# KiCad board hackpad.kicad_pcb
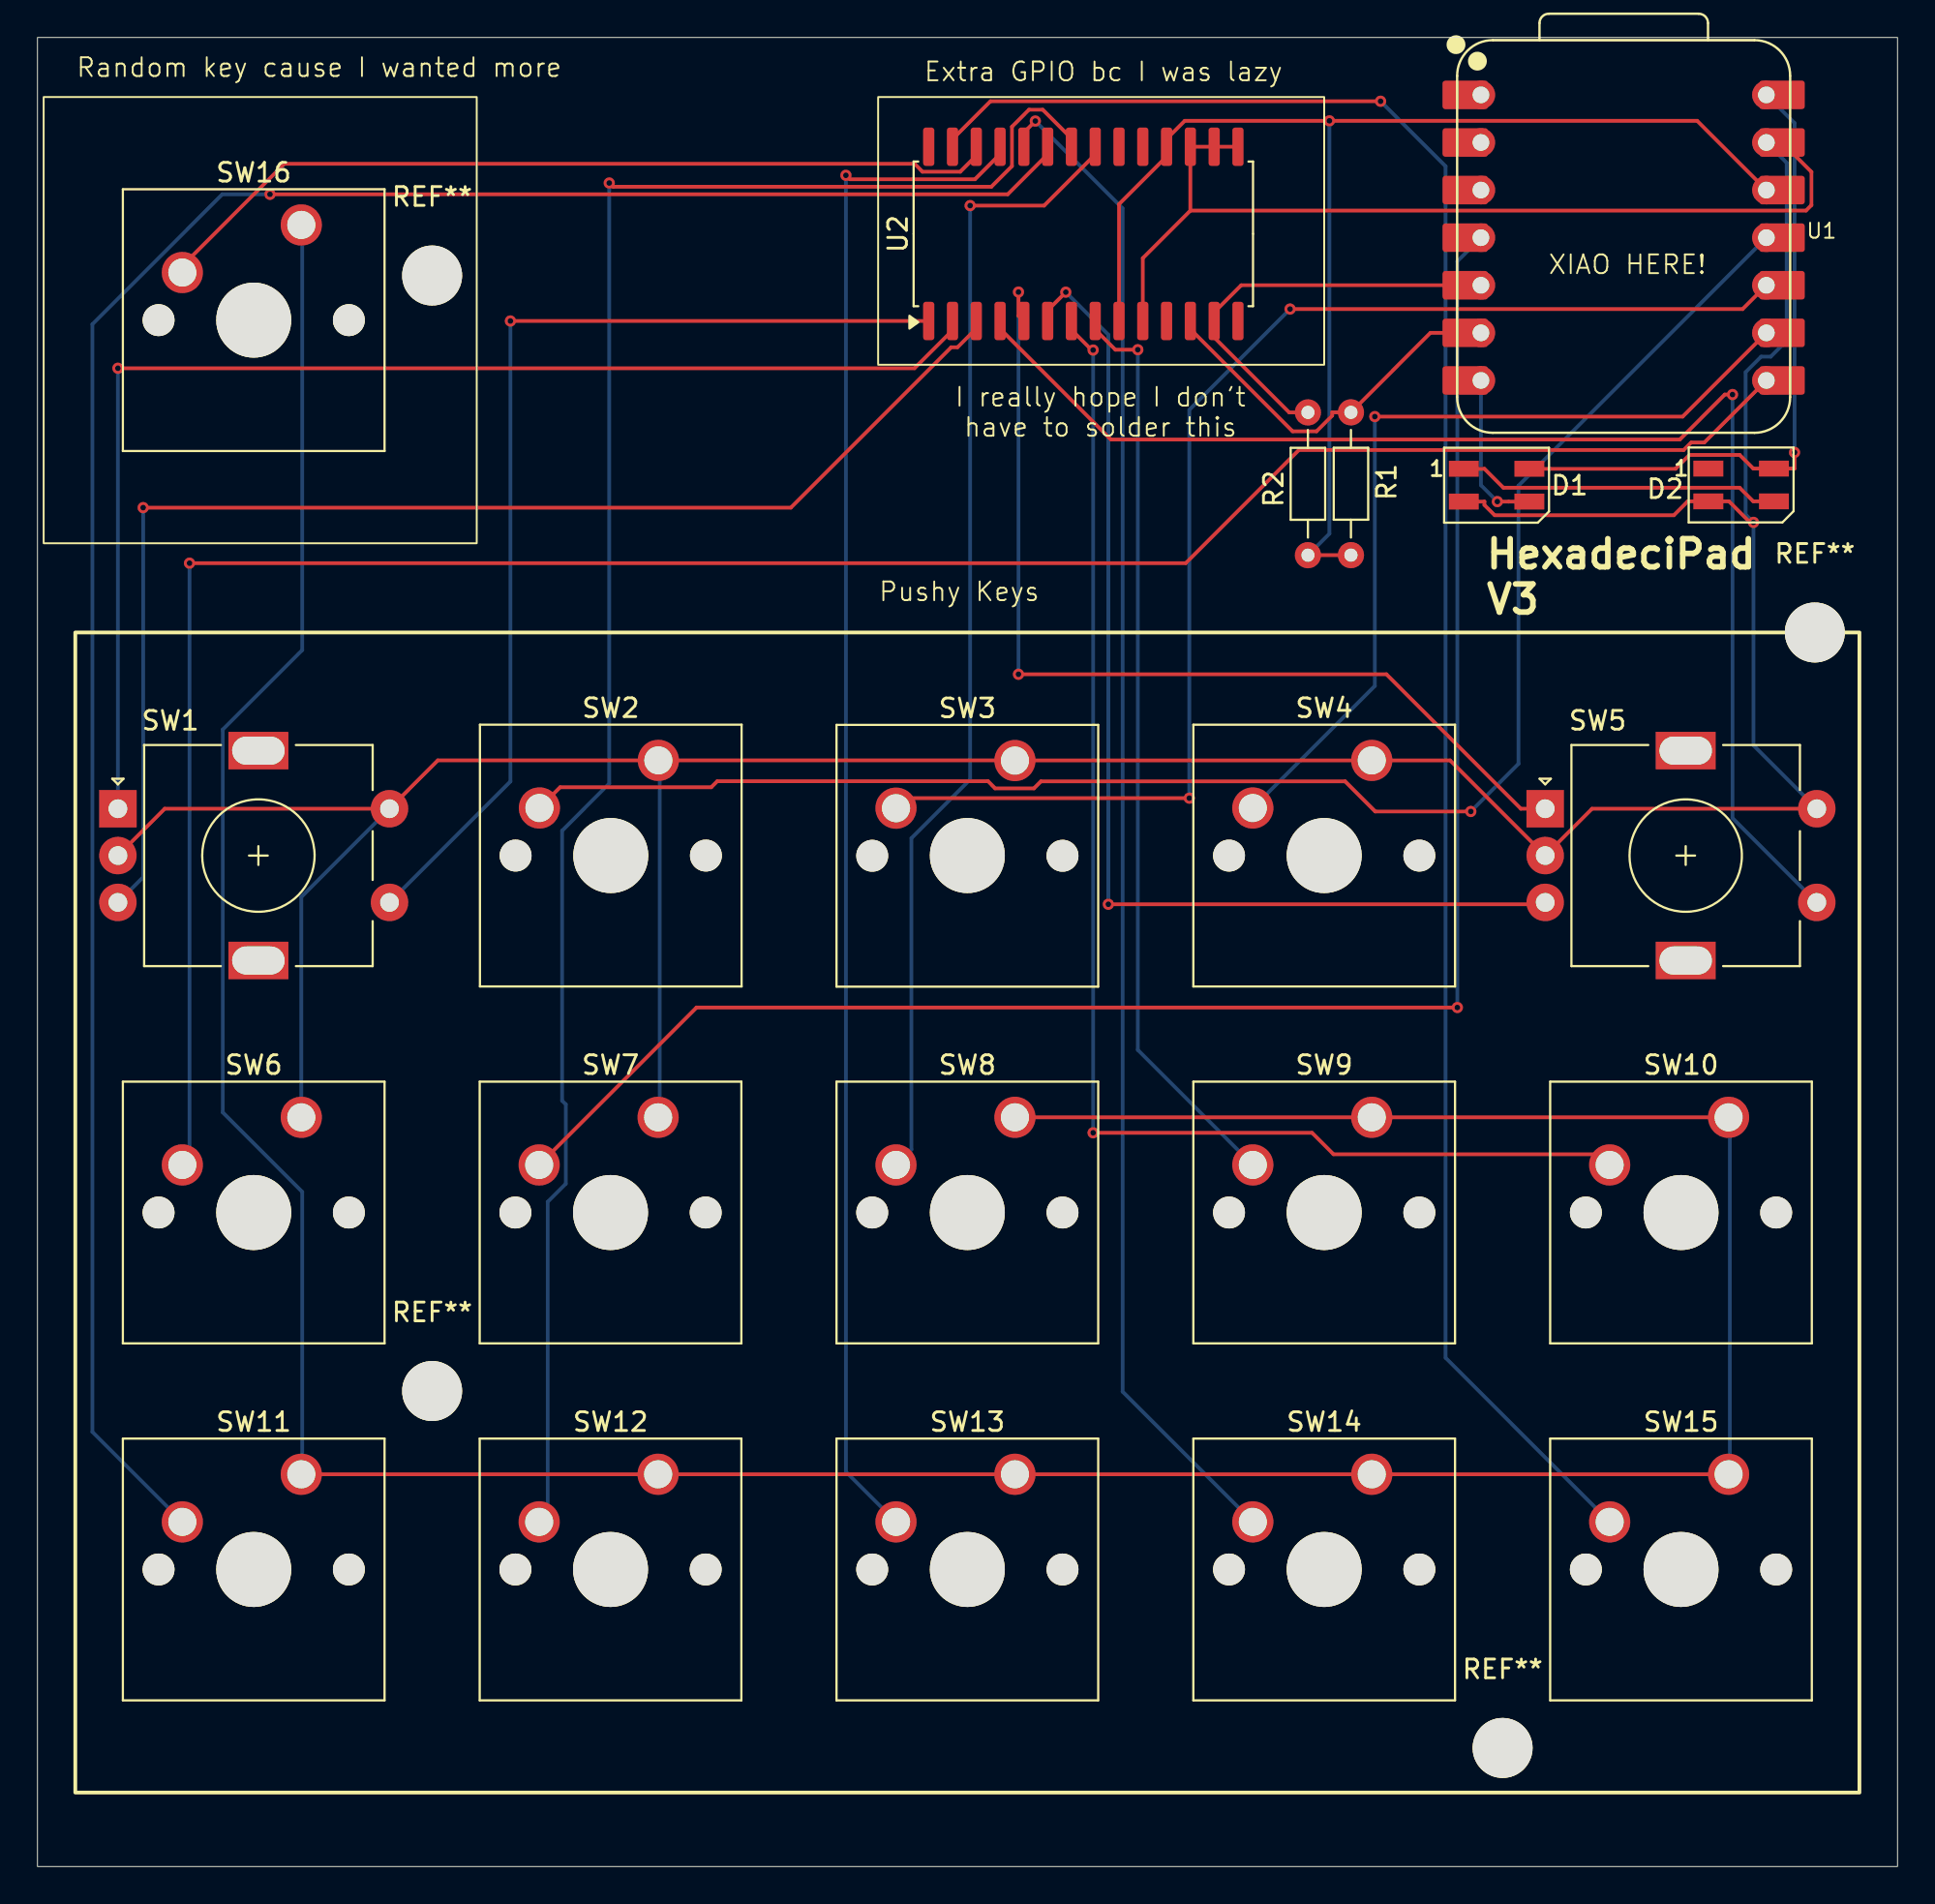
[diagram p0: board, top side]
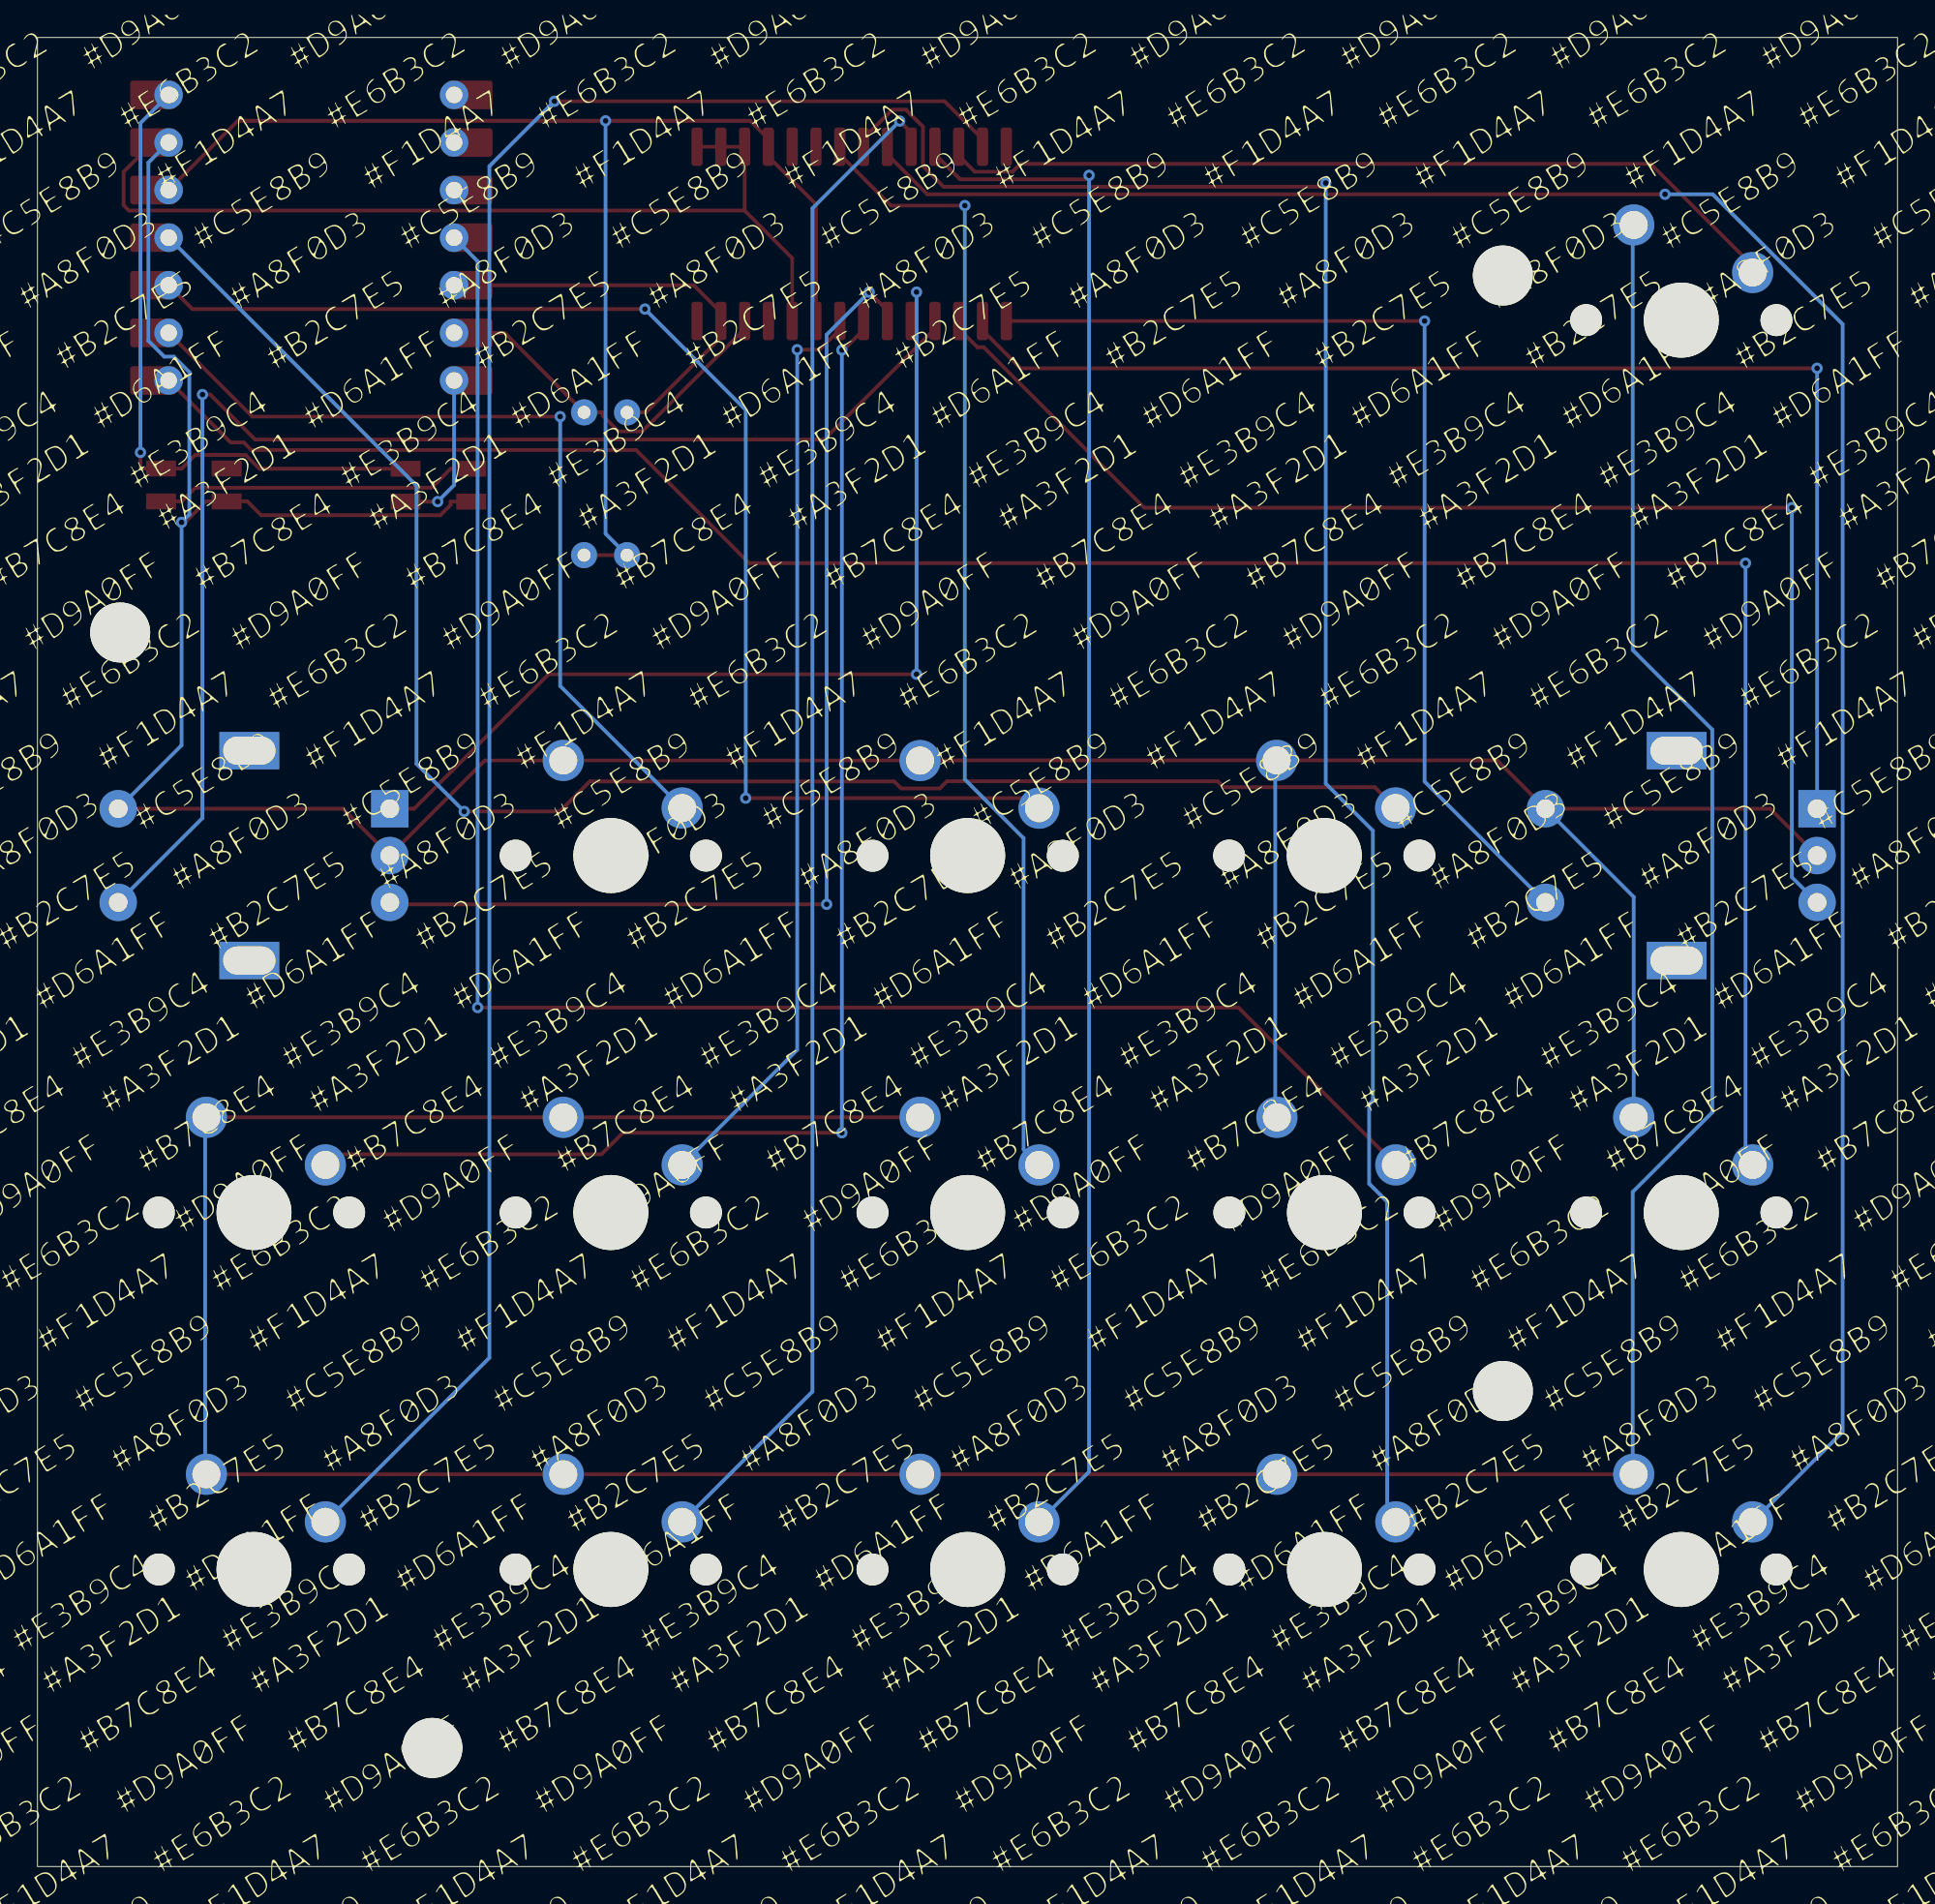
[diagram p1: board, bottom side, seen from below]

Outline 99.3 x 97.61 mm; copper layers: Top, Bottom. Coordinates in mm from the lower left corner of the outline.
Outline path: rectangle 0,97.61 99.3,0

## Placement (name value [footprint] x y rotation side)
D1  SK6812MINI  [LED_SK6812MINI_PLCC4_3.5x3.5mm_P1.75mm]  77.9 73.72 0 top
D2  SK6812MINI  [LED_SK6812MINI_PLCC4_3.5x3.5mm_P1.75mm]  90.96 73.73 0 top
G***  -  [LOGO]  49.65 43.78 180 bottom
R1  R  [R_Axial_DIN0204_L3.6mm_D1.6mm_P7.62mm_Horizontal]  70.12 69.99 90 top
R2  R  [R_Axial_DIN0204_L3.6mm_D1.6mm_P7.62mm_Horizontal]  67.83 69.98 90 top
REF**  -  [MountingHole_3.2mm_M3]  21.07 84.91 0 top
REF**#2  -  [MountingHole_3.2mm_M3]  21.07 25.38 0 top
REF**#3  -  [MountingHole_3.2mm_M3]  78.22 6.33 0 top
REF**#4  -  [MountingHole_3.2mm_M3]  94.89 65.86 0 top
SW1  RotaryEncoder_Switch  [RotaryEncoder_Alps_EC11E-Switch_Vertical_H20mm]  4.29 56.45 0 top
SW2  SW_Push  [SW_Cherry_MX_1.00u_PCB]  33.15 59.03 0 top
SW3  SW_Push  [SW_Cherry_MX_1.00u_PCB]  52.18 59.02 0 top
SW4  SW_Push  [SW_Cherry_MX_1.00u_PCB]  71.23 59.03 0 top
SW5  RotaryEncoder_Switch  [RotaryEncoder_Alps_EC11E-Switch_Vertical_H20mm]  80.49 56.45 0 top
SW6  SW_Push  [SW_Cherry_MX_1.00u_PCB]  14.08 39.98 0 top
SW7  SW_Push  [SW_Cherry_MX_1.00u_PCB]  33.13 39.98 0 top
SW8  SW_Push  [SW_Cherry_MX_1.00u_PCB]  52.18 39.98 0 top
SW9  SW_Push  [SW_Cherry_MX_1.00u_PCB]  71.23 39.98 0 top
SW10  SW_Push  [SW_Cherry_MX_1.00u_PCB]  90.28 39.98 0 top
SW11  SW_Push  [SW_Cherry_MX_1.00u_PCB]  14.08 20.93 0 top
SW12  SW_Push  [SW_Cherry_MX_1.00u_PCB]  33.13 20.93 0 top
SW13  SW_Push  [SW_Cherry_MX_1.00u_PCB]  52.18 20.93 0 top
SW14  SW_Push  [SW_Cherry_MX_1.00u_PCB]  71.23 20.93 0 top
SW15  SW_Push  [SW_Cherry_MX_1.00u_PCB]  90.28 20.93 0 top
SW16  SW_Push  [SW_Cherry_MX_1.00u_PCB]  14.08 87.61 0 top
U1  -  [XIAO-RP2040-DIP]  84.68 86.93 0 top
U2  MCP23017_SO  [SOIC-28W_7.5x17.9mm_P1.27mm]  55.84 87.13 90 top

## Library data of the parts
D1 D2 = -: Datasheet: https://cdn-shop.adafruit.com/product-files/2686/SK6812MINI_REV.01-1-2.pdf; Description: RGB LED with integrated controller; ki_fp_filters: LED*SK6812MINI*PLCC*3.5x3.5mm*P1.75mm*
R1 R2 = -: Description: Resistor; ki_fp_filters: R_*
SW1 SW5 = -: Description: Rotary encoder, dual channel, incremental quadrate outputs, with switch; ki_fp_filters: RotaryEncoder*Switch*
SW2-SW4 SW6-SW16 = -: Description: Push button switch, generic, two pins
U2 = -: Datasheet: https://ww1.microchip.com/downloads/aemDocuments/documents/APID/ProductDocuments/DataSheets/MCP23017-Data-Sheet-DS20001952.pdf; Description: 16-bit I/O expander, I2C, interrupts, w pull-ups, GPA/B7 output only (https://microchip.my.site.com/s/article/GPA7---GPB7-Cannot-Be-Used-as-Inputs-In-MCP23017),  SOIC-28; ki_fp_filters: SOIC*7.5x17.9mm*P1.27mm*

## Footprints (pads in the part's own frame, mm; a bottom-side part is the same pattern mirrored in y, then rotated)
LED_SK6812MINI_PLCC4_3.5x3.5mm_P1.75mm
  rect 1.6x0.85 smd: 1(-1.75,0.875) 2(-1.75,-0.875) 3(1.75,-0.875) 4(1.75,0.875)
MountingHole_3.2mm_M3
  round 3.2 hole 3.2 unplated: (0,0)
R_Axial_DIN0204_L3.6mm_D1.6mm_P7.62mm_Horizontal
  round 1.4 hole 0.7: 1(0,0)
  oval 1.4x1.4 hole 0.7: 2(7.62,0)
RotaryEncoder_Alps_EC11E-Switch_Vertical_H20mm
  rect 2x2 hole 1: A(0,0)
  round 2 hole 1: B(0,-5) C(0,-2.5) S1(14.5,-5) S2(14.5,0)
  rect 3.2x2 hole 2.8x1.5: MP(7.5,3.1) MP(7.5,-8.1)
SOIC-28W_7.5x17.9mm_P1.27mm
  rrect 2.05x0.6 smd: 1(-4.65,8.255) 2(-4.65,6.985) 3(-4.65,5.715) 4(-4.65,4.445) 5(-4.65,3.175) 6(-4.65,1.905) 7(-4.65,0.635) 8(-4.65,-0.635) 9(-4.65,-1.905) 10(-4.65,-3.175) 11(-4.65,-4.445) 12(-4.65,-5.715) 13(-4.65,-6.985) 14(-4.65,-8.255) 15(4.65,-8.255) 16(4.65,-6.985) 17(4.65,-5.715) 18(4.65,-4.445) 19(4.65,-3.175) 20(4.65,-1.905) 21(4.65,-0.635) 22(4.65,0.635) 23(4.65,1.905) 24(4.65,3.175) 25(4.65,4.445) 26(4.65,5.715) 27(4.65,6.985) 28(4.65,8.255)
SW_Cherry_MX_1.00u_PCB
  round 1.7 hole 1.7 unplated: (-7.62,-5.08) (2.54,-5.08)
  round 4 hole 4 unplated: (-2.54,-5.08)
  round 2.2 hole 1.5: 1(0,0) 2(-6.35,-2.54)
XIAO-RP2040-DIP
  rrect 2.432x1.524 smd: 1(-8.455,7.62) 2(-8.455,5.08) 3(-8.455,2.54) 4(-8.455,0) 5(-8.455,-2.54) 6(-8.455,-5.08) 7(-8.455,-7.62) 8(8.455,-7.62) 9(8.455,-5.08) 10(8.455,-2.54) 11(8.455,0) 12(8.455,2.54) 13(8.455,5.08) 14(8.455,7.62)
  round 1.524 hole 0.889: 1(-7.62,7.62) 2(-7.62,5.08) 3(-7.62,2.54) 4(-7.62,0) 5(-7.62,-2.54) 6(-7.62,-5.08) 7(-7.62,-7.62) 8(7.62,-7.62) 9(7.62,-5.08) 10(7.62,-2.54) 11(7.62,0) 12(7.62,2.54) 13(7.62,5.08) 14(7.62,7.62)

## Nets
+3.3V: R1.1 R2.1 U1.12 U2.9 U2.18
+5V: D1.4 D2.4 U1.14
GND: D1.2 D2.2 SW1.C SW1.S2 SW2.1 SW3.1 SW4.1 SW5.C SW5.S2 SW6.1 SW7.1 U1.13 U2.10 U2.15 U2.16 U2.17
Net-(D1-DIN): D1.3 U1.7
Net-(D1-DOUT): D1.1 D2.3
Net-(SW10-Pad1): SW8.1 SW9.1 SW10.1 SW11.1 SW12.1 SW13.1 SW14.1 SW15.1 SW16.1
Net-(U1-GPIO1/RX): SW6.2 U1.8
Net-(U1-GPIO2/SCK): SW4.2 U1.9
Net-(U1-GPIO3/MOSI): SW2.2 U1.11
Net-(U1-GPIO4/MISO): SW3.2 U1.10
Net-(U1-GPIO6/SDA): R2.2 U1.5 U2.13
Net-(U1-GPIO7/SCL): R1.2 U1.6 U2.12
Net-(U1-GPIO29/ADC3/A3): SW7.2 U1.4
Net-(U2-GPA0): SW8.2 U2.21
Net-(U2-GPA1): SW12.2 U2.22
Net-(U2-GPA2): SW11.2 U2.23
Net-(U2-GPA3): SW14.2 U2.24
Net-(U2-GPA4): SW13.2 U2.25
Net-(U2-GPA5): SW16.2 U2.26
Net-(U2-GPA6): SW15.2 U2.27
Net-(U2-GPB0): SW1.S1 U2.1
Net-(U2-GPB1): SW1.A U2.2
Net-(U2-GPB2): SW1.B U2.3
Net-(U2-GPB3): SW5.S1 U2.4
Net-(U2-GPB4): SW5.A U2.5
Net-(U2-GPB5): SW5.B U2.6
Net-(U2-GPB6): SW10.2 U2.7
Net-(U2-GPB7): SW9.2 U2.8

Pads without a net: D2 1; SW1 MP; SW5 MP; U1 1 2 3; U2 11 14 19 20 28

## Via types
v1: diameter 0.6, hole 0.3, Top to Bottom, 27 vias

## Routing (per net, layer and track width the routed paths; a pad name or vN(x,y) marks a point on that pad's centre or on a via; arc(x,y) is an arc through that point)
+3.3V: length 71.5
  Top w0.2: R1.1 67.83,69.99 R2.1 ; U2.9 57.74,88.72 60.28,91.26 U2.18 60.28,92.2 61.25,93.16 v1(68.97,93.16) 88.61,93.16 U1.12 U1.12
  Bottom w0.2: v1(68.97,93.16) 68.97,71.13 R2.1
+5V: length 36.2
  Top w0.2: D1.4 87.45,74.59 88.19,75.33 90.88,75.33 91.6,74.61 D2.4 93.81,74.61 v1(93.81,75.47) ; U1.14 U1.14
  Bottom w0.2: U1.14 93.81,93.04 v1(93.81,75.47)
GND: length 239.9
  Top w0.2: D1.2 77.25,72.84 77.25,72.66 77.8,72.12 87.36,72.12 88.1,72.86 D2.2 90.31,72.86 91.43,71.73 v1(91.61,71.73) ; 61.55,88.37 59.01,85.83 U2.10 ; 61.55,88.37 U2.17 U2.16 U2.15 ; 61.55,88.37 94.42,88.37 94.71,88.66 94.71,90.44 U1.13 U1.13 ; SW1.C 6.79,56.45 SW1.S2 21.37,59.03 SW2.1 52.17,59.03 SW3.1 52.19,59.03 SW4.1 75.42,59.03 SW5.C 82.99,56.45 SW5.S2
  Bottom w0.2: U1.13 93.39,90.93 93.39,81.43 92.54,80.58 92.02,80.58 91.19,79.75 91.19,72.15 v1(91.61,71.73) 91.61,59.83 SW5.S2 ; SW6.1 14.08,51.74 SW1.S2 ; SW2.1 33.22,58.96 33.22,40.07 SW7.1
Net-(D1-DIN): length 9.4
  Top w0.2: U1.7 U1.7 ; D1.3 v1(77.94,72.84)
  Bottom w0.2: U1.7 77.06,73.72 v1(77.94,72.84)
Net-(D1-DOUT): length 17.3
  Top w0.2: D1.1 77.25,74.59 78.26,73.58 90.88,73.58 91.6,72.86 D2.3
Net-(SW10-Pad1): length 203.6
  Top w0.2: SW11.1 SW12.1 SW13.1 SW14.1 SW15.1 ; SW8.1 SW9.1 SW10.1
  Bottom w0.2: SW11.1 14.14,20.98 14.14,36 9.89,40.25 9.89,60.68 14.14,64.92 14.14,87.56 SW16.1 ; SW10.1 90.35,39.92 90.35,21 SW15.1
Net-(U1-GPIO1/RX): length 121.3
  Top w0.2: U1.8 U1.8 88.99,76 88.29,76 87.89,75.6 67.34,75.6 61.3,69.56 v1(8.12,69.56)
  Bottom w0.2: v1(8.12,69.56) 8.12,37.83 SW6.2
Net-(U1-GPIO2/SCK): length 47.2
  Top w0.2: U1.9 U1.9 87.83,77.38 v1(71.4,77.38)
  Bottom w0.2: v1(71.4,77.38) 71.4,63 SW4.2
Net-(U1-GPIO3/MOSI): length 89.3
  Top w0.2: v1(76.52,56.31) 71.42,56.31 69.81,57.91 53.58,57.91 53.2,57.54 51.13,57.54 50.75,57.92 36.29,57.92 35.98,57.6 27.91,57.6 SW2.2 ; U1.11 U1.11
  Bottom w0.2: U1.11 79.07,73.69 79.07,58.85 v1(76.52,56.31)
Net-(U1-GPIO4/MISO): length 71
  Top w0.2: U1.10 U1.10 91.03,83.12 v1(66.87,83.12) ; SW3.2 46.37,57.02 v1(61.5,57.02)
  Bottom w0.2: v1(66.87,83.12) 61.5,77.74 v1(61.5,57.02)
Net-(U1-GPIO6/SDA): length 22.8
  Top w0.2: U1.5 U1.5 64.26,84.39 62.82,82.95 U2.13 62.82,81.61 66.83,77.6 R2.2
Net-(U1-GPIO7/SCL): length 20.5
  Top w0.2: U1.6 U1.6 74.37,81.85 R1.2 69.12,77.61 69.12,77.43 68.28,76.59 67.01,76.59 61.55,82.05 U2.12
Net-(U1-GPIO29/ADC3/A3): length 94.9
  Top w0.2: U1.4 U1.4 ; v1(75.8,45.84) 35.19,45.84 SW7.2
  Bottom w0.2: U1.4 75.8,85.67 v1(75.8,45.84)
Net-(U2-GPA0): length 61.1
  Top w0.2: v1(49.79,88.64) 53.75,88.64 56.47,91.37 U2.21
  Bottom w0.2: v1(49.79,88.64) 49.79,58.02 46.66,54.88 46.66,38.27 SW8.2
Net-(U2-GPA1): length 101.9
  Top w0.2: v1(30.53,89.85) 30.73,89.64 50.93,89.64 52.03,90.75 52.03,92.85 52.93,93.76 53.67,93.76 55.2,92.22 U2.22
  Bottom w0.2: SW12.2 27.24,18.85 27.24,35.47 28.21,36.44 28.21,40.67 28.01,40.87 28.01,55.28 30.53,57.8 v1(30.53,89.85)
Net-(U2-GPA2): length 121.1
  Top w0.2: v1(12.41,89.24) 51.8,89.24 53.93,91.37 U2.23
  Bottom w0.2: SW11.2 2.93,23.2 2.93,82.31 9.87,89.24 v1(12.41,89.24)
Net-(U2-GPA3): length 81.2
  Top w0.2: U2.24 52.66,92.54 v1(53.27,93.15)
  Bottom w0.2: v1(53.27,93.15) 57.93,88.49 57.93,25.34 SW14.2
Net-(U2-GPA4): length 82.2
  Top w0.2: v1(43.16,90.26) 43.37,90.05 50.05,90.05 51.39,91.39 U2.25
  Bottom w0.2: SW13.2 43.16,21.07 v1(43.16,90.26)
Net-(U2-GPA5): length 46
  Top w0.2: U2.26 50.12,91.3 49.26,90.45 47.25,90.45 46.83,90.87 13.18,90.87 7.73,85.42 SW16.2
Net-(U2-GPA6): length 105
  Top w0.2: U2.27 48.85,92.18 50.88,94.21 v1(71.71,94.21)
  Bottom w0.2: SW15.2 75.18,27.15 75.18,90.74 v1(71.71,94.21)
Net-(U2-GPB0): length 56
  Top w0.2: U2.1 v1(25.25,82.48)
  Bottom w0.2: v1(25.25,82.48) 25.25,57.91 SW1.S1
Net-(U2-GPB1): length 69.4
  Top w0.2: v1(4.29,79.96) 46.82,79.96 48.85,81.99 U2.2
  Bottom w0.2: SW1.A v1(4.29,79.96)
Net-(U2-GPB2): length 70.5
  Top w0.2: U2.3 50.12,82.08 49.12,81.08 48.78,81.08 40.22,72.52 v1(5.64,72.52)
  Bottom w0.2: SW1.B 5.64,52.8 v1(5.64,72.52)
Net-(U2-GPB3): length 71.9
  Top w0.2: v1(90.5,78.56) 90.08,78.56 87.68,76.16 57.3,76.16 51.39,82.07 U2.4
  Bottom w0.2: SW5.S1 90.5,55.95 v1(90.5,78.56)
Net-(U2-GPB4): length 53.2
  Top w0.2: SW5.A 79.19,56.45 72.02,63.63 v1(52.37,63.63) ; v1(52.37,84.03) 52.37,82.77 U2.5
  Bottom w0.2: v1(52.37,84.03) v1(52.37,63.63)
Net-(U2-GPB5): length 58.9
  Top w0.2: v1(57.17,51.35) 80.4,51.35 SW5.B ; v1(54.9,84.02) 53.93,83.05 U2.6
  Bottom w0.2: v1(57.17,51.35) 57.17,81.75 v1(54.9,84.02)
Net-(U2-GPB6): length 72.1
  Top w0.2: SW10.2 83.36,38.01 69.19,38.01 68.05,39.16 v1(56.36,39.16) ; U2.7 55.2,82.01 56.28,80.93 v1(56.36,80.93)
  Bottom w0.2: v1(56.36,80.93) v1(56.36,39.16)
Net-(U2-GPB7): length 49.2
  Top w0.2: U2.8 56.47,82.02 57.55,80.95 v1(58.74,80.95)
  Bottom w0.2: SW9.2 58.74,43.58 v1(58.74,80.95)
unconnected-(U1-GPIO26/ADC0/A0-Pad1): length 0.8
  Top w0.2: U1.1 U1.1
unconnected-(U1-GPIO27/ADC1/A1-Pad2): length 0.8
  Top w0.2: U1.2 U1.2
unconnected-(U1-GPIO28/ADC2/A2-Pad3): length 0.8
  Top w0.2: U1.3 U1.3

## Text on the board
F.Silkscreen: Random key cause I wanted more | Pushy Keys | Extra GPIO bc I was lazy | XIAO HERE! | I really hope I don't / have to solder this | HexadeciPad / V3
